# Altium PCB PCBDesign.PcbDoc (part 3 of 8)
Units mm, origin at the board's own origin, x right, y up, seen from the top; angles counter-clockwise.
Board outline 95 x 70 mm, 10 copper layers (L1 (Sig), L2 (GND), L3 (Sig), L4 (GND), L5 (Sig), L6 (GND), L7 (Sig), L8 (GND), L9 (PWR), L10 (Sig)), stack 1.566 mm thick; 290 components, 365 nets, 1923 pads, 1420 vias.
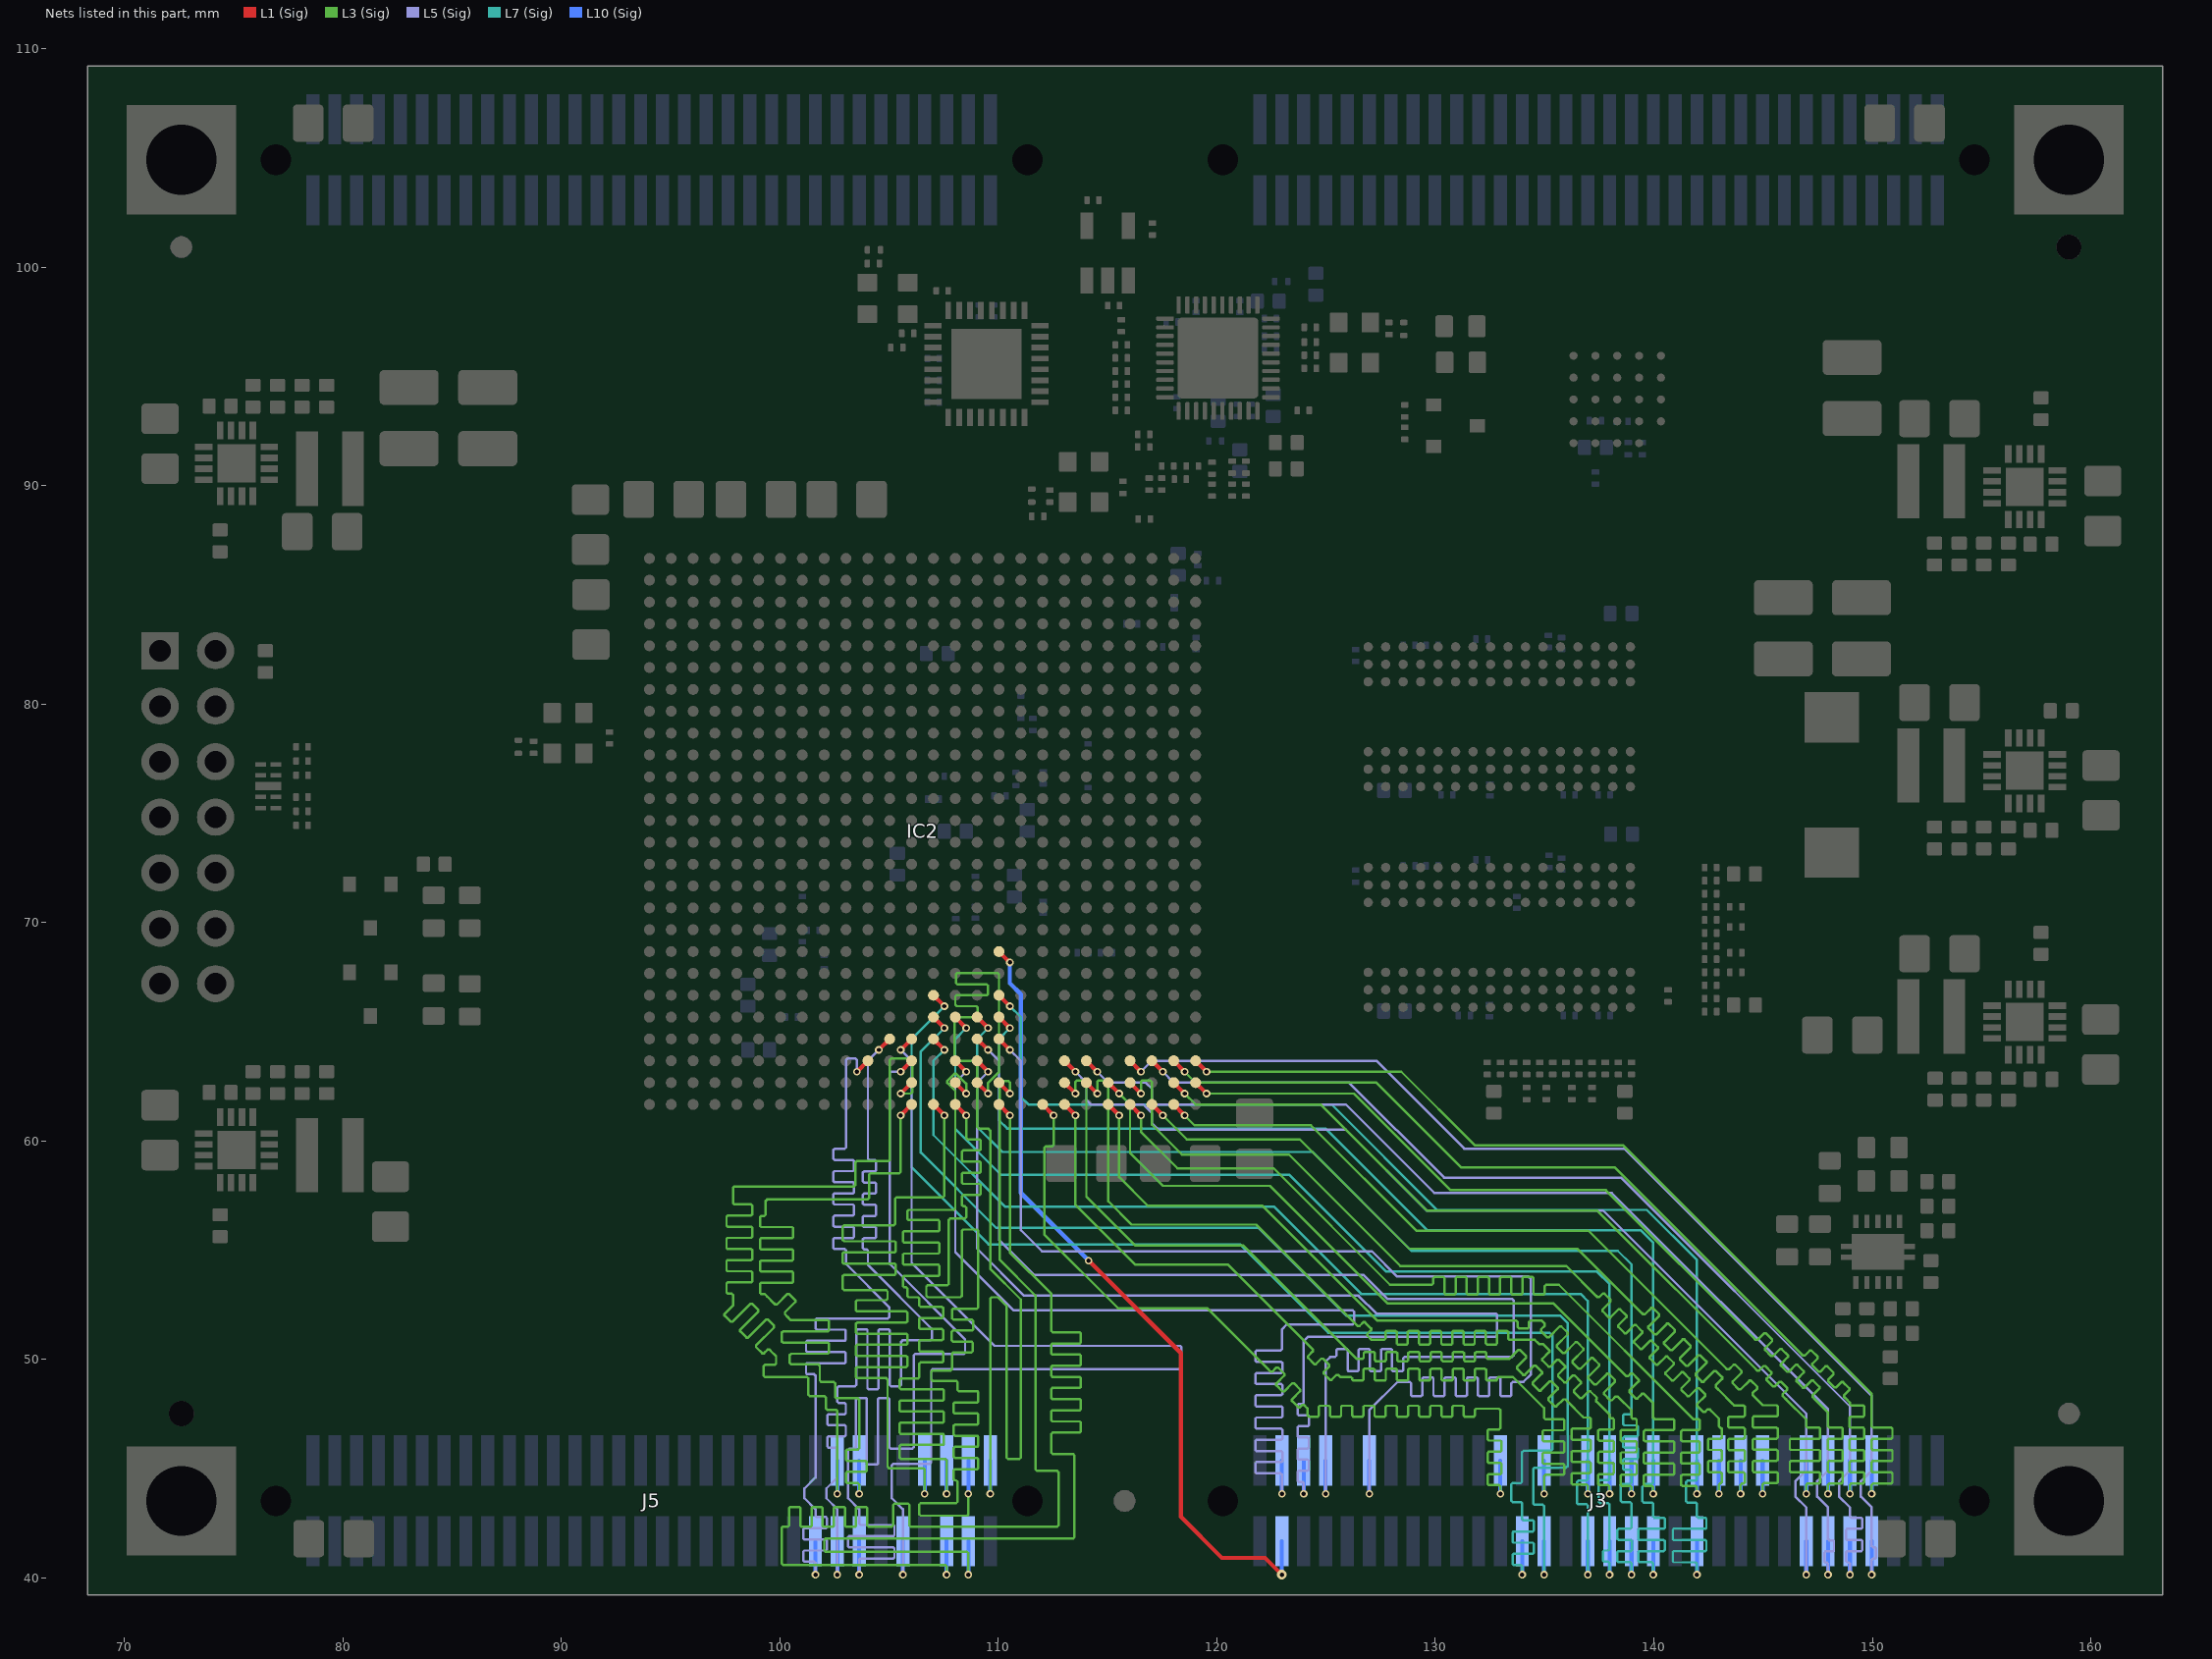
[diagram p11: the nets of this part, all layers, seen from the top]

## Via types
v1: diameter 0.35, hole 0.2, L1 (Sig) to L10 (Sig), tented both sides, 1046 vias
v2: diameter 0.45, hole 0.2, L1 (Sig) to L10 (Sig), tented both sides, 216 vias
v3: diameter 0.6, hole 0.3, L1 (Sig) to L10 (Sig), tented both sides, 95 vias
v4: diameter 0.8, hole 0.4, L1 (Sig) to L10 (Sig), tented both sides, 41 vias
v5: diameter 0.45, hole 0.3, L1 (Sig) to L10 (Sig), tented both sides, 22 vias

## Nets (pads, with @x,y where several pads share a name; then routed paths per layer and width w, separated by ;. In a path a pad name is that pad's centre, name@x,y a point inside that pad or via, vN(x,y) a via of type N, cw(c..) or ccw(c..) an arc to the next point about the centre after c; other vN are vias at no path point) (continued)
B12_IO10N: IC2.AF13 J5.14 | length 50
  L1 (Sig) w0.185: v1(105.525,61.175) IC2.AF13@106.025,61.675
  L3 (Sig) w0.11: v1(103.625,43.85) 103.625,44.225 103.625,44.28 103.561,44.344 103.08,44.344 103.029,44.395 103.029,44.803 103.08,44.854 103.925,44.854 103.976,44.905 103.976,45.313 103.925,45.364 103.08,45.364 103.029,45.415 103.029,45.823 103.08,45.874 103.561,45.874 103.625,45.939 103.625,46.302 103.625,48.161 103.561,48.225 102.589,48.225 102.525,48.289 102.525,48.911 102.461,48.975 101.889,48.975 101.825,49.039 101.825,49.711 101.761,49.775 100.514,49.775 100.45,49.839 100.45,49.85 100.45,50.2 100.514,50.265 102.192,50.265 102.243,50.316 102.243,50.724 102.192,50.775 100.139,50.775 100.088,50.826 100.088,51.234 100.139,51.285 102.192,51.285 102.243,51.336 102.243,51.744 102.192,51.795 100.505,51.795 100.386,51.914 100.368,51.932 100.228,52.072 100.228,52.163 100.703,52.638 100.703,52.71 100.415,52.998 100.342,52.998 99.868,52.524 99.776,52.524 99.737,52.562 99.417,52.883 99.297,53.003 99.138,53.003 99.087,53.054 99.087,53.462 99.138,53.513 100.551,53.513 100.602,53.564 100.602,53.972 100.551,54.023 99.138,54.023 99.087,54.074 99.087,54.482 99.138,54.533 100.551,54.533 100.602,54.584 100.602,54.992 100.551,55.043 99.138,55.043 99.087,55.094 99.087,55.502 99.138,55.553 100.551,55.553 100.602,55.604 100.602,56.012 100.551,56.063 99.138,56.063 99.087,56.113 99.087,56.522 99.138,56.573 99.286,56.573 99.35,56.637 99.35,56.722 99.35,57.261 99.414,57.325 104.011,57.325 104.075,57.389 104.075,58.461 104.139,58.525 105.461,58.525 105.525,58.589 v1(105.525,61.175)
  L10 (Sig) w0.185: v1(103.625,43.85) J5.14@103.625,45.375
B12_IO10P: IC2.AE13 J5.16 | length 51.1
  L1 (Sig) w0.185: v1(105.525,62.175) IC2.AE13@106.025,62.675
  L3 (Sig) w0.11: v1(102.625,43.85) 102.625,47.636 102.561,47.7 102.164,47.7 102.1,47.764 102.1,48.261 102.036,48.325 101.364,48.325 101.3,48.389 101.3,49.136 101.236,49.2 99.314,49.2 99.25,49.264 99.25,49.686 99.314,49.75 99.761,49.75 99.825,49.814 99.825,50.15 99.563,50.413 99.524,50.451 99.432,50.451 99.264,50.283 99.192,50.283 98.903,50.571 98.903,50.643 99.73,51.47 99.73,51.542 99.441,51.831 99.369,51.831 98.542,51.004 98.47,51.004 98.182,51.292 98.182,51.364 99.009,52.191 99.009,52.263 98.72,52.552 98.648,52.552 97.821,51.725 97.749,51.725 97.461,52.014 97.461,52.086 97.85,52.475 97.85,52.596 97.85,52.9 97.85,52.955 97.786,53.019 97.607,53.019 97.556,53.07 97.556,53.478 97.607,53.529 98.674,53.529 98.725,53.58 98.725,53.988 98.674,54.039 97.607,54.039 97.556,54.09 97.556,54.498 97.607,54.549 98.674,54.549 98.725,54.6 98.725,55.008 98.674,55.059 97.607,55.059 97.556,55.11 97.556,55.518 97.607,55.569 98.674,55.569 98.725,55.62 98.725,56.028 98.674,56.079 97.607,56.079 97.556,56.13 97.556,56.538 97.607,56.589 98.674,56.589 98.725,56.64 98.725,57.048 98.674,57.099 97.914,57.099 97.85,57.164 97.85,57.425 97.85,57.861 97.914,57.925 103.386,57.925 103.45,57.989 103.45,59.011 103.514,59.075 104.961,59.075 105.025,59.139 105.025,63.711 105.089,63.775 105.986,63.775 106.05,63.711 106.05,62.239 105.986,62.175 v1(105.525,62.175)
  L10 (Sig) w0.185: v1(102.625,43.85) J5.16@102.625,45.375
B12_IO11N: IC2.AD11 J5.17 | length 50.4
  L1 (Sig) w0.185: v1(103.525,63.175) IC2.AD11@104.025,63.675
  L5 (Sig) w0.11: v1(101.625,40.15) 101.625,40.625 101.625,40.68 101.561,40.744 101.124,40.744 101.073,40.795 101.073,41.203 101.124,41.254 102.099,41.254 102.15,41.305 102.15,41.713 102.099,41.764 101.124,41.764 101.073,41.815 101.073,42.223 101.124,42.274 102.099,42.274 102.15,42.325 102.15,42.733 102.099,42.784 101.689,42.784 101.625,42.849 101.625,43.05 101.625,43.15 101.125,43.65 101.125,44.1 101.625,44.6 101.625,49.207 101.625,49.262 101.561,49.327 101.245,49.327 101.194,49.378 101.194,49.786 101.245,49.837 102.962,49.837 103.013,49.888 103.013,50.296 102.962,50.347 101.245,50.347 101.194,50.398 101.194,50.806 101.245,50.857 102.962,50.857 103.013,50.908 103.013,51.316 102.962,51.367 101.689,51.367 101.625,51.431 101.625,51.644 101.625,51.811 101.689,51.875 104.936,51.875 105,51.939 105,52.4 103.025,54.375 103.025,54.936 103.025,54.991 102.961,55.055 102.498,55.055 102.447,55.106 102.447,55.514 102.498,55.565 103.337,55.565 103.388,55.616 103.388,56.024 103.337,56.075 102.498,56.075 102.447,56.126 102.447,56.534 102.498,56.585 103.337,56.585 103.388,56.636 103.388,57.044 103.337,57.095 102.498,57.095 102.447,57.146 102.447,57.554 102.498,57.605 103.337,57.605 103.388,57.656 103.388,58.064 103.337,58.115 102.498,58.115 102.447,58.166 102.447,58.574 102.498,58.625 103.337,58.625 103.388,58.676 103.388,59.084 103.337,59.135 102.498,59.135 102.447,59.186 102.447,59.594 102.498,59.645 102.961,59.645 103.025,59.71 103.025,60.168 103.025,63.711 103.089,63.775 103.461,63.775 103.525,63.711 v1(103.525,63.175)
  L10 (Sig) w0.185: v1(101.625,40.15) J5.17@101.625,41.675
B12_IO11P: IC2.AC12 J5.15 | length 50
  L1 (Sig) w0.185: v1(104.525,64.175) IC2.AC12@105.025,64.675
  L5 (Sig) w0.11: v1(102.625,40.15) 102.625,43.15 102.125,43.65 102.125,44.1 102.625,44.6 102.625,45.85 102.625,45.905 102.561,45.969 102.222,45.969 102.171,46.02 102.171,46.428 102.222,46.479 102.964,46.479 103.015,46.53 103.015,46.938 102.964,46.989 102.222,46.989 102.171,47.04 102.171,47.448 102.222,47.499 102.964,47.499 103.015,47.55 103.015,47.958 102.964,48.009 102.689,48.009 102.625,48.074 102.625,48.181 102.625,48.711 102.689,48.775 103.375,48.775 103.43,48.775 103.494,48.839 103.494,51.336 103.545,51.387 103.953,51.387 104.004,51.336 104.004,48.696 104.055,48.645 104.463,48.645 104.514,48.696 104.514,51.336 104.565,51.387 104.973,51.387 105.024,51.336 105.024,48.839 105.089,48.775 105.379,48.775 105.486,48.775 105.55,48.839 105.55,50.811 105.614,50.875 106.886,50.875 106.95,50.939 106.95,51.4 104.025,54.325 104.025,54.925 104.025,54.98 103.961,55.044 103.849,55.044 103.798,55.095 103.798,55.503 103.849,55.554 104.35,55.554 104.401,55.605 104.401,56.013 104.35,56.064 103.849,56.064 103.798,56.115 103.798,56.523 103.849,56.574 104.35,56.574 104.401,56.625 104.401,57.033 104.35,57.084 103.849,57.084 103.798,57.135 103.798,57.543 103.849,57.594 104.35,57.594 104.401,57.645 104.401,58.053 104.35,58.104 103.849,58.104 103.798,58.155 103.798,58.563 103.849,58.614 104.35,58.614 104.401,58.665 104.401,59.073 104.35,59.124 104.089,59.124 104.025,59.189 104.025,59.65 104.025,63.675 v1(104.525,64.175)
  L10 (Sig) w0.185: v1(102.625,40.15) J5.15@102.625,41.675
B12_IO12N: IC2.AD13 J5.13 | length 50.3
  L1 (Sig) w0.185: v1(105.525,63.175) IC2.AD13@106.025,63.675
  L5 (Sig) w0.11: v1(103.625,40.15) 103.625,40.264 103.625,40.829 103.689,40.894 105.189,40.894 105.24,40.945 105.24,41.353 105.189,41.404 103.163,41.404 103.112,41.454 103.112,41.863 103.163,41.914 105.189,41.914 105.24,41.964 105.24,42.373 105.189,42.423 103.689,42.423 103.625,42.488 103.625,43.032 103.625,43.15 103.125,43.65 103.125,45.861 103.189,45.925 103.35,45.925 103.405,45.925 103.469,45.989 103.469,48.19 103.52,48.241 103.928,48.241 103.979,48.19 103.979,45.246 104.03,45.195 104.438,45.195 104.489,45.246 104.489,48.19 104.54,48.241 104.948,48.241 104.999,48.19 104.999,45.989 105.064,45.925 105.6,45.925 106.061,45.925 106.125,45.989 106.125,50.186 106.189,50.25 108.411,50.25 108.475,50.314 108.475,50.925 105.025,54.375 105.025,63.111 105.089,63.175 v1(105.525,63.175)
  L10 (Sig) w0.185: v1(103.625,40.15) J5.13@103.625,41.675
B12_IO12P: IC2.AC13 J5.9 | length 49.9
  L1 (Sig) w0.185: v1(105.525,64.175) IC2.AC13@106.025,64.675
  L5 (Sig) w0.11: v1(105.525,64.175) 106.025,63.675 106.025,54.425 109.825,50.625 118.311,50.625 118.375,50.561 118.375,49.614 118.311,49.55 106.989,49.55 106.925,49.486 106.925,45.289 106.861,45.225 105.189,45.225 105.125,45.161 105.125,43.65 105.625,43.15 v1(105.625,40.15)
  L10 (Sig) w0.185: v1(105.625,40.15) J5.9@105.625,41.675
B12_IO13P: IC2.AC14 J3.33 | length 52.8
  L1 (Sig) w0.185: IC2.AC14@107.025,64.675 v1(107.525,64.175)
  L7 (Sig) w0.11: v1(107.525,64.175) 107.025,63.675 107.025,60.275 110.3,57 122.6,57 126.6,53 136.65,53 136.975,52.675 136.975,44.514 136.911,44.45 136.539,44.45 136.475,44.386 136.475,43.439 136.539,43.375 136.911,43.375 136.975,43.311 v1(136.975,40.15)
  L10 (Sig) w0.185: v1(136.975,40.15) J3.33@136.975,41.675
B12_IO14N: IC2.AB14 J3.37 | length 54.7
  L1 (Sig) w0.185: IC2.AB14@107.025,65.675 v1(107.525,65.175)
  L7 (Sig) w0.11: v1(107.525,65.175) 106.45,64.1 106.45,59.475 109.9,56.025 121.9,56.025 125.925,52 135.725,52 136.05,51.675 136.05,45.114 135.986,45.05 134.539,45.05 134.475,44.986 134.475,43.414 134.539,43.35 134.911,43.35 134.975,43.286 v1(134.975,40.15)
  L10 (Sig) w0.185: v1(134.975,40.15) J3.37@134.975,41.675
B12_IO14P: IC2.AB15 J3.31 | length 54.6
  L1 (Sig) w0.185: IC2.AB15@108.025,65.675 v1(108.525,65.175)
  L7 (Sig) w0.11: v1(108.525,65.175) 108.025,64.675 108.025,60.55 110.125,58.45 123.325,58.45 127.75,54.025 137.4,54.025 137.975,53.45 137.975,44.539 137.911,44.475 137.539,44.475 137.475,44.411 137.475,43.489 137.539,43.425 137.911,43.425 137.975,43.361 137.975,42.178 137.975,41.319 137.911,41.254 137.727,41.254 137.676,41.203 137.676,40.795 137.727,40.744 137.911,40.744 137.975,40.68 137.975,40.625 v1(137.975,40.15)
  L10 (Sig) w0.185: v1(137.975,40.15) J3.31@137.975,41.675
B12_IO15N: IC2.AD15 J3.62 | length 55.6
  L1 (Sig) w0.185: IC2.AD15@108.025,63.675 v1(108.525,63.175)
  L5 (Sig) w0.11: v1(108.525,63.175) 108.025,62.675 108.025,54.925 110.7,52.25 126.211,52.25 126.275,52.186 126.275,51.664 126.211,51.6 123.2,51.6 122.975,51.375 122.975,50.562 122.975,50.469 122.911,50.404 121.812,50.404 121.761,50.353 121.761,49.945 121.812,49.894 122.944,49.894 122.995,49.843 122.995,49.435 122.944,49.384 121.812,49.384 121.761,49.333 121.761,48.925 121.812,48.874 122.944,48.874 122.995,48.823 122.995,48.415 122.944,48.364 121.812,48.364 121.761,48.313 121.761,47.905 121.812,47.854 122.944,47.854 122.995,47.803 122.995,47.395 122.944,47.344 121.812,47.344 121.761,47.293 121.761,46.885 121.812,46.834 122.944,46.834 122.995,46.783 122.995,46.375 122.944,46.324 121.812,46.324 121.761,46.273 121.761,45.865 121.812,45.814 122.944,45.814 122.995,45.763 122.995,45.355 122.944,45.304 121.812,45.304 121.761,45.253 121.761,44.845 121.812,44.794 122.911,44.794 122.975,44.73 122.975,44.675 v1(122.975,43.85)
  L10 (Sig) w0.185: v1(122.975,43.85) J3.62@122.975,45.375
B12_IO15P: IC2.AD16 J3.60 | length 55.6
  L1 (Sig) w0.185: IC2.AD16@109.025,63.675 v1(109.525,63.175)
  L5 (Sig) w0.11: v1(109.525,63.175) 109.025,62.675 109.025,55.075 111.175,52.925 126.475,52.925 127.3,52.1 132.761,52.1 132.825,52.036 132.825,51.114 132.761,51.05 124.175,51.05 123.975,50.85 123.975,48.437 123.975,48.029 123.911,47.964 123.744,47.964 123.693,47.913 123.693,47.505 123.744,47.454 124.158,47.454 124.209,47.403 124.209,46.995 124.158,46.944 123.744,46.944 123.693,46.893 123.693,46.485 123.744,46.434 124.158,46.434 124.209,46.383 124.209,45.975 124.158,45.924 123.744,45.924 123.693,45.873 123.693,45.465 123.744,45.414 124.158,45.414 124.209,45.363 124.209,44.955 124.158,44.904 123.744,44.904 123.693,44.853 123.693,44.445 123.744,44.394 123.911,44.394 123.975,44.33 123.975,44.275 v1(123.975,43.85)
  L10 (Sig) w0.185: v1(123.975,43.85) J3.60@123.975,45.375
B12_IO16N: IC2.AF14 J5.8 | length 53.6
  L1 (Sig) w0.185: IC2.AF14@107.025,61.675 v1(107.525,61.175)
  L3 (Sig) w0.11: v1(106.625,43.85) 106.625,44.961 106.561,45.025 104.989,45.025 104.925,45.089 104.925,49.025 104.925,49.08 104.861,49.144 103.536,49.144 103.485,49.195 103.485,49.603 103.536,49.654 105.778,49.654 105.829,49.705 105.829,50.113 105.778,50.164 103.536,50.164 103.485,50.215 103.485,50.623 103.536,50.674 105.778,50.674 105.829,50.725 105.829,51.133 105.778,51.184 103.536,51.184 103.485,51.235 103.485,51.643 103.536,51.694 105.778,51.694 105.829,51.745 105.829,52.153 105.778,52.204 103.536,52.204 103.485,52.255 103.485,52.663 103.536,52.714 104.861,52.714 104.925,52.779 104.925,52.933 104.925,53.111 104.861,53.175 102.939,53.175 102.875,53.239 102.875,53.252 102.875,53.817 102.939,53.882 105.25,53.882 105.301,53.933 105.301,54.341 105.25,54.392 102.914,54.392 102.863,54.443 102.863,54.851 102.914,54.902 105.25,54.902 105.301,54.953 105.301,55.361 105.25,55.412 102.939,55.412 102.875,55.476 102.875,55.697 102.875,56.086 102.939,56.15 105.211,56.15 105.275,56.214 105.275,57.361 105.339,57.425 107.461,57.425 107.525,57.489 v1(107.525,61.175)
  L10 (Sig) w0.185: v1(106.625,43.85) J5.8@106.625,45.375
B12_IO16P: IC2.AF15 J5.4 | length 55.4
  L1 (Sig) w0.185: IC2.AF15@108.025,61.675 v1(108.525,61.175)
  L3 (Sig) w0.11: v1(108.525,61.175) 108.525,60.366 108.525,60.144 108.589,60.079 109.139,60.079 109.19,60.028 109.19,59.62 109.139,59.569 108.388,59.569 108.337,59.518 108.337,59.11 108.388,59.059 109.139,59.059 109.19,59.008 109.19,58.6 109.139,58.549 108.388,58.549 108.337,58.498 108.337,58.09 108.388,58.039 109.139,58.039 109.19,57.988 109.19,57.58 109.139,57.529 108.388,57.529 108.337,57.478 108.337,57.07 108.388,57.019 108.461,57.019 108.525,56.955 108.525,56.9 108.525,56.514 108.461,56.45 107.789,56.45 107.725,56.386 107.725,53.464 107.661,53.4 106.764,53.4 106.7,53.336 106.7,52.914 106.764,52.85 108.261,52.85 108.325,52.914 108.325,55.886 108.389,55.95 109.011,55.95 109.075,55.886 109.075,52.389 109.011,52.325 107.939,52.325 107.875,52.261 107.875,51.889 107.939,51.825 108.786,51.825 108.85,51.761 108.85,51.389 108.786,51.325 107.914,51.325 107.85,51.261 107.85,50.889 107.914,50.825 108.761,50.825 108.825,50.761 108.825,50.389 108.761,50.325 107.939,50.325 107.875,50.261 107.875,49.564 107.811,49.5 106.989,49.5 106.925,49.436 106.925,49.089 106.989,49.025 108.061,49.025 108.076,49.01 108.125,48.961 108.125,48.614 108.189,48.549 109.029,48.549 109.08,48.498 109.08,48.09 109.029,48.039 108.002,48.039 107.951,47.988 107.951,47.58 108.002,47.529 109.029,47.529 109.08,47.478 109.08,47.07 109.029,47.019 108.002,47.019 107.951,46.968 107.951,46.56 108.002,46.509 109.029,46.509 109.08,46.458 109.08,46.05 109.029,45.999 108.002,45.999 107.951,45.948 107.951,45.54 108.002,45.489 109.029,45.489 109.08,45.438 109.08,45.03 109.029,44.979 108.002,44.979 107.951,44.928 107.951,44.52 108.002,44.469 108.061,44.469 108.125,44.405 108.125,44.35 108.125,43.489 108.061,43.425 106.439,43.425 106.375,43.361 106.375,42.914 106.439,42.85 108.561,42.85 108.625,42.914 v1(108.625,43.85)
  L10 (Sig) w0.185: v1(108.625,43.85) J5.4@108.625,45.375
B12_IO17N: IC2.AE15 J5.6 | length 56
  L1 (Sig) w0.185: IC2.AE15@108.025,62.675 v1(108.525,62.175)
  L3 (Sig) w0.11: v1(107.625,43.85) 107.625,45.386 107.561,45.45 105.539,45.45 105.531,45.459 105.475,45.514 105.475,46.024 105.539,46.088 107.457,46.088 107.508,46.139 107.508,46.547 107.457,46.598 105.525,46.598 105.474,46.649 105.474,47.057 105.525,47.108 107.457,47.108 107.508,47.159 107.508,47.567 107.457,47.618 105.525,47.618 105.474,47.669 105.474,48.077 105.525,48.128 107.457,48.128 107.508,48.179 107.508,48.587 107.457,48.638 105.539,48.638 105.475,48.703 105.475,48.76 105.475,49.061 105.539,49.125 106.311,49.125 106.375,49.189 106.375,49.234 106.375,49.799 106.439,49.864 107.416,49.864 107.467,49.915 107.467,50.323 107.416,50.374 106.418,50.374 106.367,50.425 106.367,50.833 106.418,50.884 107.416,50.884 107.467,50.935 107.467,51.343 107.416,51.394 106.418,51.394 106.367,51.445 106.367,51.853 106.418,51.904 107.416,51.904 107.467,51.955 107.467,52.363 107.416,52.414 106.439,52.414 106.375,52.478 106.375,52.636 106.375,52.786 106.311,52.85 105.889,52.85 105.825,52.914 105.825,53.2 105.825,53.255 105.761,53.319 105.677,53.319 105.626,53.37 105.626,53.778 105.677,53.829 107.243,53.829 107.294,53.88 107.294,54.288 107.243,54.339 105.677,54.339 105.626,54.39 105.626,54.798 105.677,54.849 107.243,54.849 107.294,54.9 107.294,55.308 107.243,55.359 105.677,55.359 105.626,55.41 105.626,55.818 105.677,55.869 107.243,55.869 107.294,55.92 107.294,56.328 107.243,56.379 105.889,56.379 105.825,56.444 105.825,56.675 105.825,56.786 105.889,56.85 107.961,56.85 108.025,56.914 108.025,62.3 107.658,62.667 107.658,62.758 107.979,63.079 108.071,63.079 108.525,62.625 v1(108.525,62.175)
  L10 (Sig) w0.185: v1(107.625,43.85) J5.6@107.625,45.375
B12_IO17P: IC2.AE16 J5.2 | length 56.3
  L1 (Sig) w0.185: IC2.AE16@109.025,62.675 v1(109.525,62.175)
  L3 (Sig) w0.11: v1(109.525,62.175) 109.525,62.661 110.025,63.161 110.025,67.636 109.961,67.7 108.114,67.7 108.05,67.636 108.05,67.239 108.114,67.175 109.461,67.175 109.525,67.111 109.525,66.739 109.461,66.675 108.089,66.675 108.025,66.611 108.025,66.239 108.089,66.175 108.986,66.175 109.05,66.111 109.05,65.739 108.986,65.675 108.064,65.675 108,65.611 108,63.739 108.064,63.675 108.925,63.675 109.025,63.575 109.025,60.65 109.1,60.575 109.525,60.575 109.625,60.475 109.625,54.15 111.025,52.75 111.025,45.514 110.961,45.45 110.439,45.45 110.375,45.514 110.375,52.45 109.975,52.85 109.689,52.85 109.625,52.786 v1(109.625,43.85)
  L10 (Sig) w0.185: v1(109.625,43.85) J5.2@109.625,45.375
B12_IO18N: IC2.AF17 J5.3 | length 55.8
  L1 (Sig) w0.185: IC2.AF17@110.025,61.675 v1(110.525,61.175)
  L3 (Sig) w0.11: v1(108.625,40.15) 108.625,41.136 108.561,41.2 102.089,41.2 102.025,41.264 102.025,41.736 102.089,41.8 113.411,41.8 113.475,41.864 113.475,45.611 113.411,45.675 112.489,45.675 112.425,45.739 112.425,46.025 112.425,46.59 112.489,46.654 113.719,46.654 113.77,46.705 113.77,47.113 113.719,47.164 112.472,47.164 112.421,47.215 112.421,47.623 112.472,47.674 113.719,47.674 113.77,47.725 113.77,48.133 113.719,48.184 112.472,48.184 112.421,48.235 112.421,48.643 112.472,48.694 113.719,48.694 113.77,48.745 113.77,49.153 113.719,49.204 112.472,49.204 112.421,49.255 112.421,49.663 112.472,49.714 113.719,49.714 113.77,49.765 113.77,50.173 113.719,50.224 112.472,50.224 112.421,50.275 112.421,50.683 112.472,50.734 113.719,50.734 113.77,50.785 113.77,51.193 113.719,51.244 112.489,51.244 112.425,51.309 112.425,51.475 112.425,53 110.525,54.9 v1(110.525,61.175)
  L10 (Sig) w0.185: v1(108.625,40.15) J5.3@108.625,41.675
B12_IO18P: IC2.AE17 J5.5 | length 56.3
  L1 (Sig) w0.185: IC2.AE17@110.025,62.675 v1(110.525,62.175)
  L3 (Sig) w0.11: v1(107.625,40.15) 107.625,40.536 107.561,40.6 100.139,40.6 100.075,40.664 100.075,42.286 100.139,42.35 100.305,42.35 100.36,42.35 100.424,42.414 100.424,43.201 100.475,43.252 100.883,43.252 100.934,43.201 100.934,42.388 100.985,42.337 101.393,42.337 101.444,42.388 101.444,43.201 101.495,43.252 101.903,43.252 101.954,43.201 101.954,42.388 102.005,42.337 102.413,42.337 102.464,42.388 102.464,43.201 102.515,43.252 102.923,43.252 102.974,43.201 102.974,42.388 103.025,42.337 103.433,42.337 103.484,42.388 103.484,43.201 103.535,43.252 103.943,43.252 103.994,43.201 103.994,42.414 104.059,42.35 104.443,42.35 105.111,42.35 105.175,42.414 105.175,43.336 105.239,43.4 105.861,43.4 105.925,43.336 105.925,42.414 105.989,42.35 112.686,42.35 112.75,42.414 112.75,44.836 112.686,44.9 111.764,44.9 111.7,44.964 111.7,52.925 110.051,54.574 110.051,62.686 110.116,62.75 110.461,62.75 110.525,62.686 v1(110.525,62.175)